# Altium PCB WIFI_HOME_SECURITY_SYS-V01.PcbDoc (part 3 of 3)
Units mil, origin at the board's own origin, x right, y up, seen from the top; angles counter-clockwise.
Board outline 3677.17 x 3783.46 mil, 4 copper layers (Top Layer, Int1 (GND), Int2 (PWR), Bottom Layer), stack 53.912 mil thick; 126 components, 88 nets, 455 pads, 131 vias.
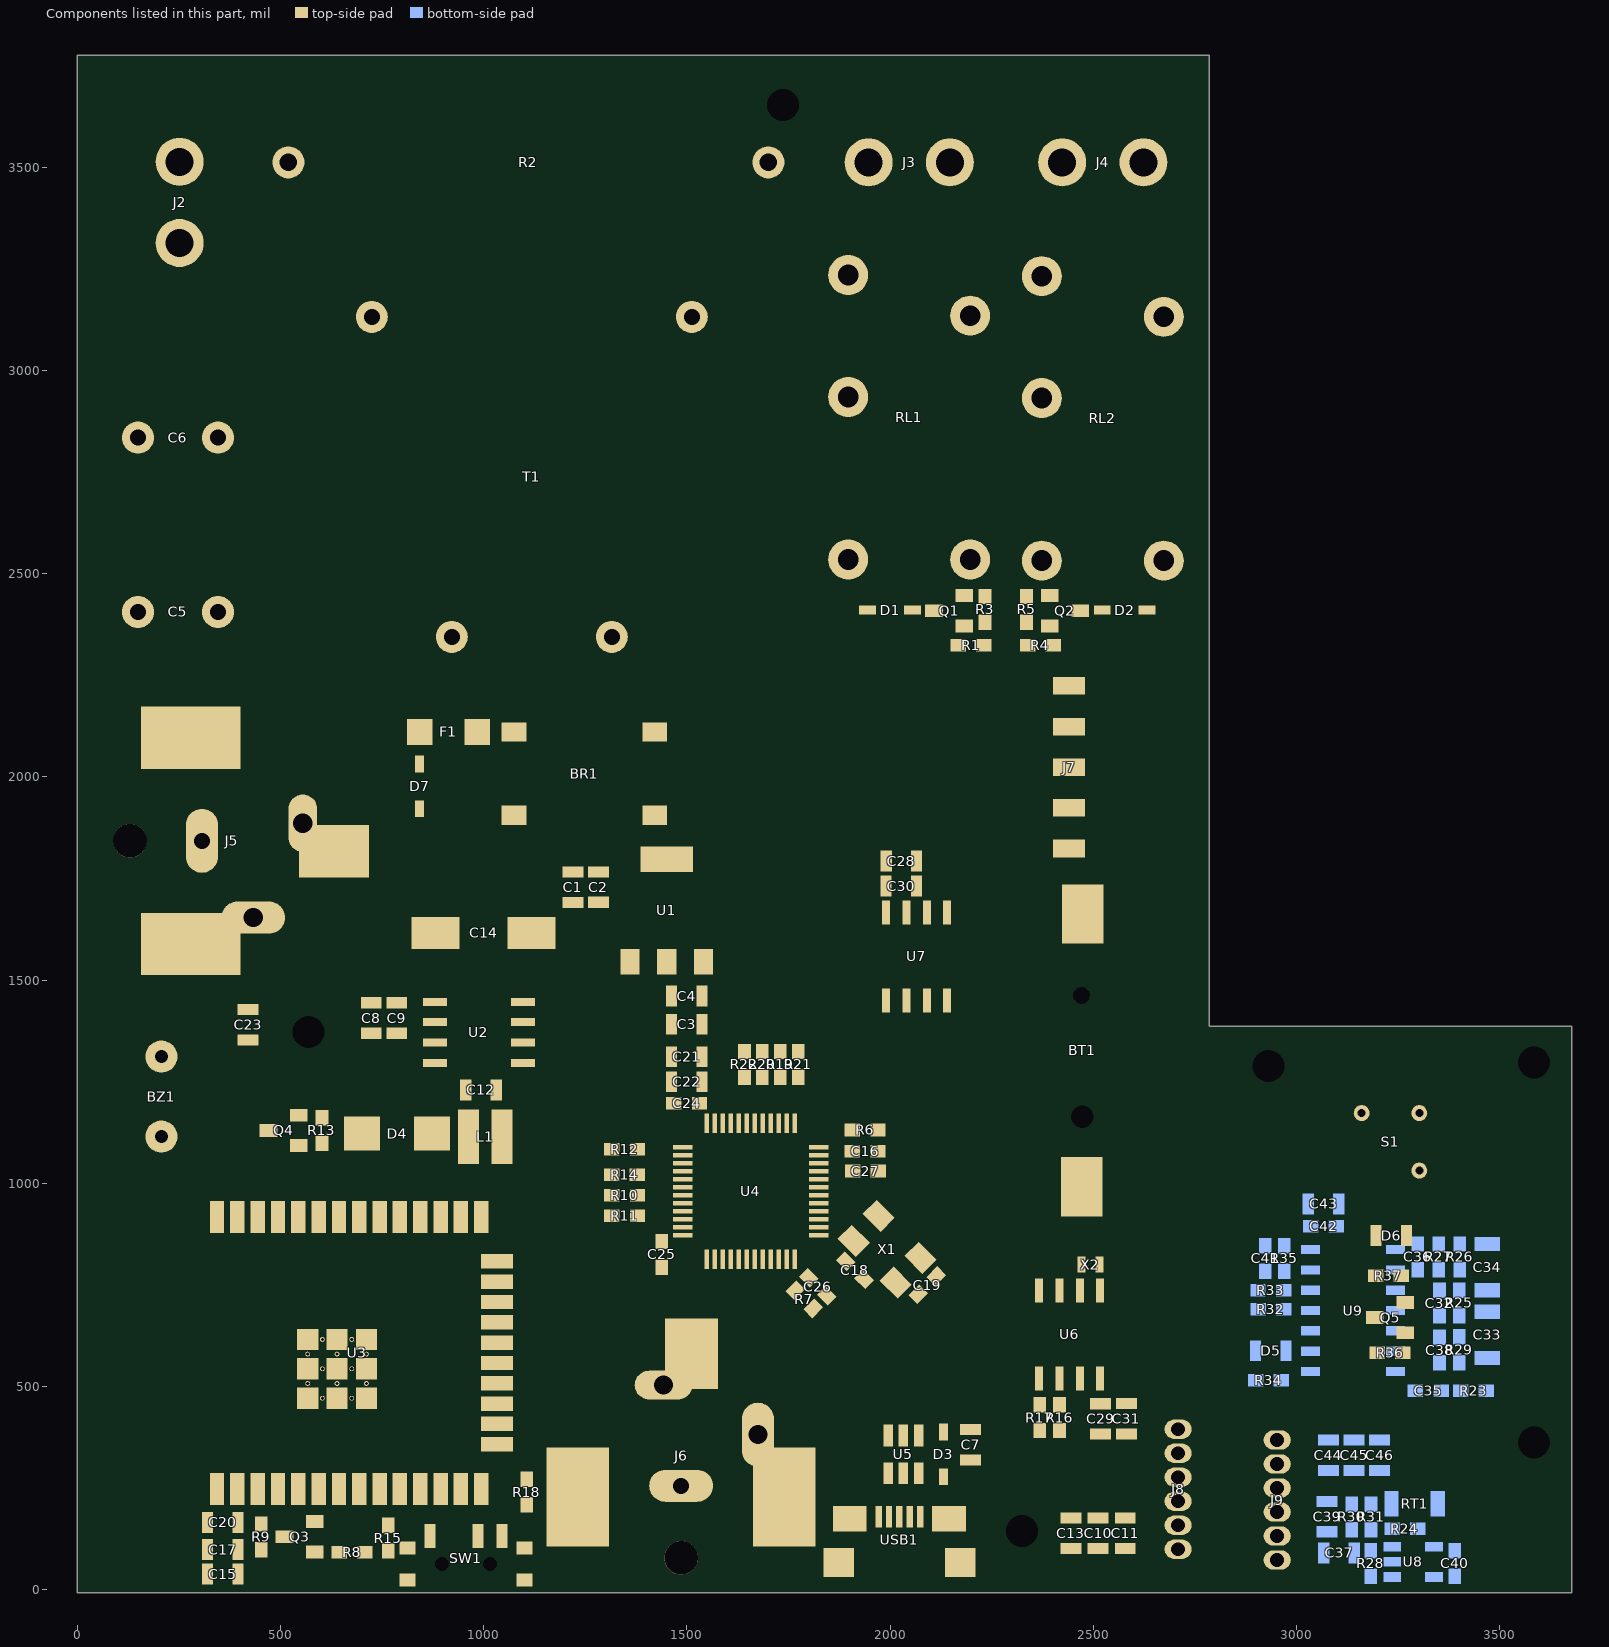
[diagram p5: the components of this part, seen from the top]

## Via types
v1: diameter 23.62, hole 13.78, Top Layer to Bottom Layer, tented both sides, 125 vias
v2: diameter 39.37, hole 19.68, Top Layer to Bottom Layer, tented both sides, 3 vias
v3: diameter 17.72, hole 11.81, Top Layer to Bottom Layer, tented both sides, 2 vias
v4: diameter 23.62, hole 13.78, Top Layer to Bottom Layer, tented top, 1 vias

## Nets (pads, with @x,y where several pads share a name; then routed paths per layer and width w, separated by ;. In a path a pad name is that pad's centre, name@x,y a point inside that pad or via, vN(x,y) a via of type N, cw(c..) or ccw(c..) an arc to the next point about the centre after c; other vN are vias at no path point) (continued)
copper on no net: | length 609122.8
  Top Layer w1: -1989.5,4122.74 1554.08,7666.33 ; -1989.5,4182.74 1554.08,7726.33 ; -1989.5,4242.74 1554.08,7786.33 ; -1989.5,4302.74 1554.08,7846.33 ; -1989.5,4362.74 1554.08,7906.33 ; -1989.5,4422.74 1554.08,7966.33 ; -1989.5,4482.74 1554.08,8026.33 ; -1989.5,4542.74 1554.08,8086.33 ; -1989.5,4602.74 1554.08,8146.33 ; -1989.5,4662.74 1554.08,8206.33 ; -1989.5,4722.74 1554.08,8266.33 ; -1989.5,4782.74 1554.08,8326.33 ; -1989.5,4842.74 1554.08,8386.33 ; -1989.5,4902.74 1554.08,8446.33 ; -1989.5,4962.74 1554.08,8506.33 ; -1989.5,5022.74 1554.08,8566.33 ; -1989.5,5082.74 1554.08,8626.33 ; -1989.5,5142.74 1554.08,8686.33 ; -1989.5,5202.74 1554.08,8746.33 ; -1989.5,5262.74 1554.08,8806.33 ; -1989.5,5322.74 1554.08,8866.33 ; -1989.5,5382.74 1554.08,8926.33 ; -1989.5,5442.74 1503.81,8936.05 ; -1989.5,5502.74 1443.81,8936.05 ; -1989.5,5562.74 1383.81,8936.05 ; -1989.5,5622.74 1323.81,8936.05 ; -1989.5,5682.74 1263.81,8936.05 ; -1989.5,5742.74 1203.81,8936.05 ; -1989.5,5802.74 1143.81,8936.05 ; -1989.5,5862.74 1083.81,8936.05 ; -1989.5,5922.74 1023.81,8936.05 ; -1989.5,5982.74 963.81,8936.05 ; -1989.5,6042.74 903.81,8936.05 ; -1989.5,6102.74 843.81,8936.05 ; -1989.5,6162.74 783.81,8936.05 ; -1989.5,6222.74 723.81,8936.05 ; -1989.5,6282.74 663.81,8936.05 ; -1989.5,6342.74 603.81,8936.05 ; -1989.5,6402.74 543.81,8936.05 ; -1989.5,6462.74 483.81,8936.05 ; -1989.5,6522.74 423.81,8936.05 ; -1989.5,6582.74 363.81,8936.05 ; -1989.5,6642.74 303.81,8936.05 ; -1989.5,6702.74 243.81,8936.05 ; -1989.5,6762.74 183.81,8936.05 ; -1989.5,6822.74 123.81,8936.05 ; -1989.5,6882.74 63.81,8936.05 ; -1989.5,6942.74 3.81,8936.05 ; -1989.5,7002.74 -56.19,8936.05 ; -1989.5,7062.74 -116.19,8936.05 ; -1989.5,7122.74 -176.19,8936.05 ; -1989.5,7182.74 -236.19,8936.05 ; -1989.5,7242.74 -296.19,8936.05 ; -1989.5,7302.74 -356.19,8936.05 ; -1989.5,7362.74 -416.19,8936.05 ; -1989.5,7422.74 -476.19,8936.05 ; -1989.5,7482.74 -536.19,8936.05 ; -1989.5,7542.74 -596.19,8936.05 ; -1989.5,7602.74 -656.19,8936.05 ; -1989.5,7662.74 -716.19,8936.05 ; -1989.5,7722.74 -776.19,8936.05 ; -1989.5,7782.74 -836.19,8936.05 ; -1989.5,7842.74 -896.19,8936.05 ; -1989.5,7902.74 -956.19,8936.05 ; -1989.5,7962.74 -1016.19,8936.05 ; -1989.5,8022.74 -1076.19,8936.05 ; -1989.5,8082.74 -1136.19,8936.05 ; -1989.5,8142.74 -1196.19,8936.05 ; -1989.5,8202.74 -1256.19,8936.05 ; -1989.5,8262.74 -1316.19,8936.05 ; -1989.5,8322.74 -1376.19,8936.05 ; -1989.5,8382.74 -1436.19,8936.05 ; -1989.5,8442.74 -1496.19,8936.05 ; -1989.5,8502.74 -1556.19,8936.05 ; -1989.5,8562.74 -1616.19,8936.05 ; -1989.5,8622.74 -1676.19,8936.05 ; -1989.5,8682.74 -1736.19,8936.05 ; -1989.5,8742.74 -1796.19,8936.05 ; -1989.5,8802.74 -1856.19,8936.05 ; -1989.5,8862.74 -1916.19,8936.05 ; -1989.5,8922.74 -1976.19,8936.05 ; -1931.28,4120.96 1554.08,7606.33 ; -1871.28,4120.96 1554.08,7546.33 ; -1811.28,4120.96 1554.08,7486.33 ; -1751.28,4120.96 1554.08,7426.33 ; -1691.28,4120.96 1554.08,7366.33 ; -1631.28,4120.96 1554.08,7306.33 ; -1571.28,4120.96 1554.08,7246.33 ; -1511.28,4120.96 1554.08,7186.33 ; -1451.28,4120.96 1554.08,7126.33 ; -1391.28,4120.96 1554.08,7066.33 ; -1331.28,4120.96 1554.08,7006.33 ; -1271.28,4120.96 1554.08,6946.33 ; -1211.28,4120.96 1554.08,6886.33 ; -1151.28,4120.96 1554.08,6826.33 ; -1091.28,4120.96 1554.08,6766.33 ; -1031.28,4120.96 1554.08,6706.33 ; -971.28,4120.96 1554.08,6646.33 ; -911.28,4120.96 1554.08,6586.33 ; -851.28,4120.96 1554.08,6526.33 ; -791.28,4120.96 1554.08,6466.33 ; -731.28,4120.96 1554.08,6406.33 ; -671.28,4120.96 1554.08,6346.33 ; -611.28,4120.96 1554.08,6286.33 ; -551.28,4120.96 1554.08,6226.33 ; -491.28,4120.96 1554.08,6166.33 ; -431.28,4120.96 1554.08,6106.33 ; -371.28,4120.96 1554.08,6046.33 ; -311.28,4120.96 1554.08,5986.33 ; -251.28,4120.96 1554.08,5926.33 ; -191.28,4120.96 1583.35,5895.59 ; -131.28,4120.96 1643.35,5895.59 ; -71.28,4120.96 1703.35,5895.59 ; -11.28,4120.96 1763.35,5895.59 ; 48.72,4120.96 1823.35,5895.59 ; 108.72,4120.96 1883.35,5895.59 ; 168.72,4120.96 1943.35,5895.59 ; 228.72,4120.96 2003.35,5895.59 ; 288.72,4120.96 2063.35,5895.59 ; 348.72,4120.96 2123.35,5895.59 ; 408.72,4120.96 2183.35,5895.59 ; 468.72,4120.96 2243.35,5895.59 ; 528.72,4120.96 2303.35,5895.59 ; 588.72,4120.96 2363.35,5895.59 ; 648.72,4120.96 2423.35,5895.59 ; 708.72,4120.96 2483.35,5895.59 ; 768.72,4120.96 2543.35,5895.59 ; 828.72,4120.96 2603.35,5895.59 ; 888.72,4120.96 2663.35,5895.59 ; 948.72,4120.96 2689.26,5861.5 ; 1008.72,4120.96 2689.26,5801.5 ; 1068.72,4120.96 2689.26,5741.5 ; 1128.72,4120.96 2689.26,5681.5 ; 1188.72,4120.96 2689.26,5621.5 ; 1248.72,4120.96 2689.26,5561.5 ; 1308.72,4120.96 2689.26,5501.5 ; 1368.72,4120.96 2689.26,5441.5 ; 1428.72,4120.96 2689.26,5381.5 ; 1488.72,4120.96 2689.26,5321.5 ; 1548.72,4120.96 2689.26,5261.5 ; 1569.58,8985.83 1669.26,9085.51 1789.26,9205.51 1909.26,9325.51 2029.26,9445.51 2149.26,9565.51 2269.26,9685.51 2389.26,9805.51 2509.26,9925.51 2629.26,10045.51 2689.26,10105.51 ; 1569.58,9045.83 1609.26,9085.51 1729.26,9205.51 1849.26,9325.51 1969.26,9445.51 2089.26,9565.51 2209.26,9685.51 2329.26,9805.51 2449.26,9925.51 2569.26,10045.51 2689.26,10165.51 ; 1569.58,9105.83 1669.26,9205.51 1789.26,9325.51 1909.26,9445.51 2029.26,9565.51 2149.26,9685.51 2269.26,9805.51 2389.26,9925.51 2509.26,10045.51 2629.26,10165.51 2689.26,10225.51 ; 1569.58,9165.83 1609.26,9205.51 1729.26,9325.51 1849.26,9445.51 1969.26,9565.51 2089.26,9685.51 2209.26,9805.51 2329.26,9925.51 2449.26,10045.51 2569.26,10165.51 2689.26,10285.51 ; 1569.58,9225.83 1669.26,9325.51 1789.26,9445.51 1909.26,9565.51 2029.26,9685.51 2149.26,9805.51 2269.26,9925.51 2389.26,10045.51 2509.26,10165.51 2629.26,10285.51 2689.26,10345.51 ; 1569.58,9285.83 1609.26,9325.51 1729.26,9445.51 1849.26,9565.51 1969.26,9685.51 2089.26,9805.51 2209.26,9925.51 2329.26,10045.51 2449.26,10165.51 2569.26,10285.51 2689.26,10405.51 ; 1569.58,9345.83 1669.26,9445.51 1789.26,9565.51 1909.26,9685.51 2029.26,9805.51 2149.26,9925.51 2269.26,10045.51 2389.26,10165.51 2509.26,10285.51 2629.26,10405.51 2689.26,10465.51 ; 1569.58,9405.83 1609.26,9445.51 1729.26,9565.51 1849.26,9685.51 1969.26,9805.51 2089.26,9925.51 2209.26,10045.51 2329.26,10165.51 2449.26,10285.51 2569.26,10405.51 2689.26,10525.51 ; 1569.58,9465.83 1669.26,9565.51 1789.26,9685.51 1909.26,9805.51 2029.26,9925.51 2149.26,10045.51 2269.26,10165.51 2389.26,10285.51 2509.26,10405.51 2629.26,10525.51 2689.26,10585.51 ; 1569.58,9525.83 1609.26,9565.51 1729.26,9685.51 1849.26,9805.51 1969.26,9925.51 2089.26,10045.51 2209.26,10165.51 2329.26,10285.51 2449.26,10405.51 2569.26,10525.51 2689.26,10645.51 ; 1569.58,9585.83 1669.26,9685.51 1789.26,9805.51 1909.26,9925.51 2029.26,10045.51 2149.26,10165.51 2269.26,10285.51 2389.26,10405.51 2509.26,10525.51 2629.26,10645.51 2689.26,10705.51 ; 1569.58,9645.83 1609.26,9685.51 1729.26,9805.51 1849.26,9925.51 1969.26,10045.51 2089.26,10165.51 2209.26,10285.51 2329.26,10405.51 2449.26,10525.51 2569.26,10645.51 2689.26,10765.51 ; 1569.58,9705.83 1669.26,9805.51 1789.26,9925.51 1909.26,10045.51 2029.26,10165.51 2149.26,10285.51 2269.26,10405.51 2389.26,10525.51 2509.26,10645.51 2629.26,10765.51 ; 1569.58,9765.83 1609.26,9805.51 1729.26,9925.51 1849.26,10045.51 1969.26,10165.51 2089.26,10285.51 2209.26,10405.51 2329.26,10525.51 2449.26,10645.51 2569.26,10765.51 ; 1569.58,9825.83 1669.26,9925.51 1789.26,10045.51 1909.26,10165.51 2029.26,10285.51 2149.26,10405.51 2269.26,10525.51 2389.26,10645.51 2509.26,10765.51 ; 1569.58,9885.83 1609.26,9925.51 1729.26,10045.51 1849.26,10165.51 1969.26,10285.51 2089.26,10405.51 2209.26,10525.51 2329.26,10645.51 2449.26,10765.51 ; 1569.58,9945.83 1669.26,10045.51 1789.26,10165.51 1909.26,10285.51 2029.26,10405.51 2149.26,10525.51 2269.26,10645.51 2389.26,10765.51 ; 1569.58,10005.83 1609.26,10045.51 1729.26,10165.51 1849.26,10285.51 1969.26,10405.51 2089.26,10525.51 2209.26,10645.51 2329.26,10765.51 ; 1569.58,10065.83 1669.26,10165.51 1789.26,10285.51 1909.26,10405.51 2029.26,10525.51 2149.26,10645.51 2269.26,10765.51 ; 1569.58,10125.83 1609.26,10165.51 1729.26,10285.51 1849.26,10405.51 1969.26,10525.51 2089.26,10645.51 2209.26,10765.51 ; 1569.58,10185.83 1669.26,10285.51 1789.26,10405.51 1909.26,10525.51 2029.26,10645.51 2149.26,10765.51 ; 1569.58,10245.83 1609.26,10285.51 1729.26,10405.51 1849.26,10525.51 1969.26,10645.51 2089.26,10765.51 ; 1569.58,10305.83 1669.26,10405.51 1789.26,10525.51 1909.26,10645.51 2029.26,10765.51 ; 1569.58,10365.83 1609.26,10405.51 1729.26,10525.51 1849.26,10645.51 1969.26,10765.51 ; 1569.58,10425.83 1669.26,10525.51 1789.26,10645.51 1909.26,10765.51 ; 1569.58,10485.83 1609.26,10525.51 1729.26,10645.51 1849.26,10765.51 ; 1569.58,10545.83 1669.26,10645.51 1789.26,10765.51 ; 1569.58,10605.83 1609.26,10645.51 1729.26,10765.51 ; 1569.58,10665.83 1669.26,10765.51 ; 1569.58,10725.83 1609.26,10765.51 ; 1608.72,4120.96 2689.26,5201.5 ; 1609.26,8965.51 1729.26,9085.51 1849.26,9205.51 1969.26,9325.51 2089.26,9445.51 2209.26,9565.51 2329.26,9685.51 2449.26,9805.51 2569.26,9925.51 2689.26,10045.51 ; 1668.72,4120.96 2689.26,5141.5 ; 1669.26,8965.51 1789.26,9085.51 1909.26,9205.51 2029.26,9325.51 2149.26,9445.51 2269.26,9565.51 2389.26,9685.51 2509.26,9805.51 2629.26,9925.51 2689.26,9985.51 ; 1728.72,4120.96 2689.26,5081.5 ; 1729.26,8965.51 1849.26,9085.51 1969.26,9205.51 2089.26,9325.51 2209.26,9445.51 2329.26,9565.51 2449.26,9685.51 2569.26,9805.51 2689.26,9925.51 ; 1788.72,4120.96 2689.26,5021.5 ; 1789.26,8965.51 1909.26,9085.51 2029.26,9205.51 2149.26,9325.51 2269.26,9445.51 2389.26,9565.51 2509.26,9685.51 2629.26,9805.51 2689.26,9865.51 ; 1848.72,4120.96 2689.26,4961.5 ; 1849.26,8965.51 1969.26,9085.51 2089.26,9205.51 2209.26,9325.51 2329.26,9445.51 2449.26,9565.51 2569.26,9685.51 2689.26,9805.51 ; 1908.72,4120.96 2689.26,4901.5 ; 1909.26,8965.51 2029.26,9085.51 2149.26,9205.51 2269.26,9325.51 2389.26,9445.51 2509.26,9565.51 2629.26,9685.51 2689.26,9745.51 ; 1968.72,4120.96 2689.26,4841.5 ; 1969.26,8965.51 2089.26,9085.51 2209.26,9205.51 2329.26,9325.51 2449.26,9445.51 2569.26,9565.51 2689.26,9685.51 ; 2028.72,4120.96 2689.26,4781.5 ; 2029.26,8965.51 2149.26,9085.51 2269.26,9205.51 2389.26,9325.51 2509.26,9445.51 2629.26,9565.51 2689.26,9625.51 ; 2088.72,4120.96 2689.26,4721.5 ; 2089.26,8965.51 2209.26,9085.51 2329.26,9205.51 2449.26,9325.51 2569.26,9445.51 2689.26,9565.51 ; 2148.72,4120.96 2689.26,4661.5 ; 2149.26,8965.51 2269.26,9085.51 2389.26,9205.51 2509.26,9325.51 2629.26,9445.51 2689.26,9505.51 ; 2208.72,4120.96 2689.26,4601.5 ; 2209.26,8965.51 2329.26,9085.51 2449.26,9205.51 2569.26,9325.51 2689.26,9445.51 ; 2268.72,4120.96 2689.26,4541.5 ; 2269.26,8965.51 2389.26,9085.51 2509.26,9205.51 2629.26,9325.51 2689.26,9385.51 ; 2328.72,4120.96 2689.26,4481.5 ; 2329.26,8965.51 2449.26,9085.51 2569.26,9205.51 2689.26,9325.51 ; 2388.72,4120.96 2689.26,4421.5 ; 2389.26,8965.51 2509.26,9085.51 2629.26,9205.51 2689.26,9265.51 ; 2448.72,4120.96 2689.26,4361.5 ; 2449.26,8965.51 2569.26,9085.51 2689.26,9205.51 ; 2508.72,4120.96 2689.26,4301.5 ; 2509.26,8965.51 2629.26,9085.51 2689.26,9145.51 ; 2568.72,4120.96 2689.26,4241.5 ; 2569.26,8965.51 2689.26,9085.51 ; 2628.72,4120.96 2689.26,4181.5 ; 2629.26,8965.51 2689.26,9025.51
  Top Layer w15: -1989.5,9085.51 -1579.59,9085.51 -249.97,9085.51 349.88,9085.51 999.71,9085.51 1569.58,9085.51 2689.26,9085.51 ; -1989.5,9205.51 -1579.59,9205.51 -249.97,9205.51 349.88,9205.51 999.71,9205.51 1569.58,9205.51 2689.26,9205.51 ; -1989.5,9325.51 -1579.59,9325.51 -249.97,9325.51 349.88,9325.51 999.71,9325.51 1569.58,9325.51 2689.26,9325.51 ; -1989.5,9445.51 -1579.59,9445.51 -249.97,9445.51 349.88,9445.51 999.71,9445.51 1569.58,9445.51 2689.26,9445.51 ; -1989.5,9565.51 -1579.59,9565.51 -249.97,9565.51 349.88,9565.51 999.71,9565.51 1569.58,9565.51 2689.26,9565.51 ; -1989.5,9685.51 -1579.59,9685.51 -249.97,9685.51 349.88,9685.51 999.71,9685.51 1569.58,9685.51 2689.26,9685.51 ; -1989.5,9805.51 -1579.59,9805.51 -249.97,9805.51 349.88,9805.51 999.71,9805.51 1569.58,9805.51 2689.26,9805.51 ; -1989.5,9925.51 -1579.59,9925.51 -249.97,9925.51 349.88,9925.51 999.71,9925.51 1569.58,9925.51 2689.26,9925.51 ; -1989.5,10045.51 -1579.59,10045.51 -249.97,10045.51 349.88,10045.51 999.71,10045.51 1569.58,10045.51 2689.26,10045.51 ; -1989.5,10165.51 -1579.59,10165.51 -249.97,10165.51 349.88,10165.51 999.71,10165.51 1569.58,10165.51 2689.26,10165.51 ; -1989.5,10285.51 -1579.59,10285.51 -249.97,10285.51 349.88,10285.51 999.71,10285.51 1569.58,10285.51 2689.26,10285.51 ; -1989.5,10405.51 -1579.59,10405.51 -249.97,10405.51 349.88,10405.51 999.71,10405.51 1569.58,10405.51 2689.26,10405.51 ; -1989.5,10525.51 -1579.59,10525.51 -249.97,10525.51 349.88,10525.51 999.71,10525.51 1569.58,10525.51 2689.26,10525.51 ; -1989.5,10645.51 -1579.59,10645.51 -249.97,10645.51 349.88,10645.51 999.71,10645.51 1569.58,10645.51 2689.26,10645.51 ; -1989.5,10765.51 2689.26,10765.51 ; -1579.59,10885.51 -1579.59,8965.51 ; -249.97,10885.51 -249.97,8965.51 ; 349.88,10885.51 349.88,8965.51 ; 999.71,10885.51 999.71,8965.51 ; 1569.58,10885.51 1569.58,8965.51 ; -1579.59,8965.51 -1989.5,8965.51 -1989.5,10885.51 2689.26,10885.51 2689.26,8965.51 1569.58,8965.51 ; -1579.59,8965.51 -249.97,8965.51 ; -249.97,8965.51 349.88,8965.51 ; 349.88,8965.51 999.71,8965.51 ; 999.71,8965.51 1569.58,8965.51 ; -1989.5,4121.5 2689.26,4121.5 2689.26,5894.82 1554.08,5894.82 1554.08,8935.51 -1989.5,8935.51 -1989.5,4121.5

## Polygon pours and split planes (outlines as drawn)
GND on Top Layer "GND_L01_P142" (solid, remove dead copper, pour order 142): 222.44,2872.64 190.94,2904.13 64.37,2904.13 32.87,2872.64 32.87,1086.61 154.92,964.57 1046.46,964.57 1082.68,928.35 1082.68,122.44 1205.12,0 2733.18,0 2782.09,48.91 2782.09,2121.26 2601.77,2301.57 1715.16,2301.57 1715.16,1918.9 1648.23,1851.97 1623.43,1851.97 1243.7,1851.97 1105.51,1990.16 732.87,1990.16 688.58,2028.94 574.21,2028.94 405.71,2197.44 275.39,2197.44 232.48,2240.35 232.48,2863.19 191.54,2904.13
GND_S on Top Layer "GND_S_L01_P148" (solid, remove dead copper, pour order 148): 2871.07,1366.34 3647.44,1366.34 3656.49,1357.28 3656.5,22.24 3643.31,9.06 2846.46,9.06 2835,20.51 2835,1329.96
no net on Top Layer "NONET_L01_P006" (solid, remove dead copper, pour order 6): 921.26,2425.2 850.39,2354.33
NetBR1_2 on Top Layer "NETBR1_2_L01_P013" (solid, remove dead copper, pour order 13): 905.51,2440.94 826.77,2381.89 826.77,2263.78 905.51,2216.54 1086.85,2216.54 1268.71,2059.05 1468.5,2059.06 1476.38,2066.93 1476.38,2153.54 1468.54,2161.38 1318.86,2161.45 1039.37,2440.94
NetBR1_1 on Top Layer "NETBR1_1_L01_P017" (solid, remove dead copper, pour order 17): 1299.21,2440.95 1248.03,2389.76 1248.03,2291.34 1299.21,2240.16 1480.32,2240.16 1539.37,2200.79 1539.37,1968.5 1374.02,1968.5 1354.33,1944.88 1354.33,1881.89 1649.89,1881.89 1692.91,1928.22 1692.91,2440.94
NetC5_1 on Top Layer "NETC5_1_L01_P049" (solid, remove dead copper, pour order 49): 322.83,2901.57 419.43,2901.57 448.82,2872.18 448.82,2350.39 622.05,2177.17 885.83,2177.16 885.83,1996.06 798.75,1996.06 688.51,2062.99 570.87,2062.99 275.59,2358.27 275.59,2872.59 304.58,2901.57
5VDC on Top Layer "Top Layer-5VDC" (solid, remove dead copper, pour order 56): 1181.51,1039.37 1185.04,1039.37 1185.04,1042.91 1307.09,1164.96 1307.09,1385.83 1181.51,1492.12 1181.51,1650.01 1198.42,1666.93 1264.54,1666.93 1314.97,1610.24 1314.97,1492.13 1377.95,1492.13 1389.76,1503.94 1389.76,1633.85 1311.03,1712.6 1183.73,1712.6 1173.23,1720.47 1069.29,1720.47 1032.68,1683.86 1032.68,1417.32 1135.43,1417.32 1153.55,1402.23 1153.55,1232.28 1116.14,1185.04 1011.81,1185.04 1011.81,1051.18 1023.62,1039.37
no net on Top Layer "NONET_L01_P069" (solid, remove dead copper, pour order 69): 1553.99,1180.26 1553.99,1164.23 1553.99,1180.26
3V3DC on Top Layer "Top Layer-3V3DC" (solid, remove dead copper, pour order 112): 2478.15,441.51 2602.51,441.51 2608,447 2608,538 2588,558 2505,558 2497,550 2497,499 2505,491 2505,473.62 2487.62,473.62 2478.15,464.14
12VDC on Top Layer "Top Layer-12VDC" (solid, remove dead copper, pour order 118): 656.3,1321.06 676.15,1301.21 818.32,1301.58 833.27,1316.54 904.33,1316.54 925.2,1337.4 925.2,1363.19 909.65,1378.74 833.47,1378.74 815.25,1396.95 747.64,1396.95 690.61,1396.95 680.42,1396.95 656.3,1372.84 656.3,1359.47
GND on Top Layer "GND_L01_P124" (solid, remove dead copper, pour order 124): 534.65,707.28 475,649.61 475,436.42 534.65,376.77 787.01,376.77 810.63,392.91 810.63,657.48 739.57,707.28
GND on Top Layer "GND_L01_P127" (solid, remove dead copper, pour order 127): 550.78,376.77 445.87,376.77 366.34,297.24 366.34,185.04 358.27,176.97 358.27,19.68 346.65,8.07 234.45,8.07 226.38,16.14 226.38,293.9 281.1,293.9 281.1,351.38 374.21,436.42 475,436.42
3V3DC on Top Layer "3V3DC_L01_P140" (solid, remove dead copper, pour order 140): 1567.32,1585.43 1569.96,1582.8 1644.03,1582.93 1668.31,1558.67 1668.31,1507.48 1573.03,1507.48 1567.13,1501.57 1512.6,1501.57 1504.72,1509.45 1504.72,1584.84 1518.5,1598.62 1553.47,1598.62
3V3DC on Top Layer "3V3DC_L01_P141" (solid, remove dead copper, pour order 141): 1512.6,1501.57 1522.83,1491.34 1522.84,1225.98 1508.26,1211.42 1508.27,1184.45 1541.73,1159.06 1541.73,1125 1545.08,1121.65 1554.92,1121.65 1554.92,1489.37 1567.13,1501.57
GND on Bottom Layer "Bottom Layer-GND" (solid, remove dead copper, pour order 146): 50.98,1614.37 632.48,1032.87 853.74,1032.87 934.26,952.36 934.25,314.17 828.35,208.27 229.53,208.27 194.29,173.03 194.29,48.23 243.5,-0.98 2732.19,-0.98 2784.84,51.66 2784.84,2577.95 2716.81,2645.99 1850.39,2646.85 1419.09,2215.55 310.24,2215.55 259.45,2266.34 259.45,2892.52 205.51,2946.46 102.36,2946.46 50.98,2895.08
GND_S on Bottom Layer "GND_S_L04_P147" (solid, remove dead copper, pour order 147): 2871.31,1366.54 3647.24,1366.54 3656.3,1357.48 3656.3,22.44 3643.11,9.25 2846.26,9.25 2835,20.51 2835,1329.91
GND on Bottom Layer "GND_L04_P149" (solid, remove dead copper, pour order 149): 530.13,704.16 470.48,646.48 470.48,433.29 530.13,373.64 782.49,373.64 806.11,389.79 806.11,654.35 735.05,704.16
GND on Bottom Layer "GND_L04_P150" (solid, remove dead copper, pour order 150): 546.26,373.64 479.16,373.64 300.75,195.25 194.29,164.1 194.29,290.77 276.58,290.77 276.58,348.25 369.69,433.29 470.48,433.29
3V3DC on Int2 (PWR) (split plane): 2764.9,1385.83 2765.29,1381.91 2766.43,1378.14 2768.29,1374.66 2770.79,1371.62 2773.83,1369.12 2777.31,1367.26 2781.08,1366.12 2785,1365.73 2787.13,1365.73 2787.13,12.22 20.1,12.22 20.1,203.35 320.47,203.35 320.47,940.75 20.1,940.75 20.1,2639.96 493.9,2639.96 493.9,2258.07 1516.54,2258.07 1516.54,2639.96 2764.9,2639.96
5VDC on Int2 (PWR) (split plane): 430.48,1277.92 432.77,1276.05 435.37,1274.66 438.2,1273.8 441.14,1273.51 553.4,1273.51 678.91,1148 681.19,1146.13 683.8,1144.74 686.63,1143.88 689.57,1143.59 887.2,1143.59 890.15,1143.88 892.97,1144.74 895.58,1146.13 897.86,1148 952.31,1202.45 1203.8,1202.45 1258.35,1147.89 1258.35,1088.72 1213.44,1043.81 1048.23,1043.81 1045.29,1043.52 1042.46,1042.67 1039.85,1041.27 1037.57,1039.4 970.05,971.88 968.18,969.59 966.78,966.99 965.93,964.16 965.64,961.22 965.64,676.57 965.93,673.63 966.78,670.81 968.18,668.2 970.05,665.92 1076.74,559.22 1079.03,557.35 1081.63,555.96 1084.46,555.1 1087.4,554.81 1993.56,554.81 2040.33,508.04 2042.61,506.17 2045.22,504.78 2048.04,503.92 2050.98,503.63 2223.48,503.63 2238.67,488.44 2238.67,322.36 2226.13,322.36 2059.28,489.2 2057,491.08 2054.39,492.47 2051.56,493.33 2048.62,493.62 1796.79,493.62 1778.37,512.04 1776.09,513.91 1773.48,515.3 1770.66,516.16 1767.72,516.45 1623.62,516.45 1620.68,516.16 1617.85,515.3 1615.25,513.91 1612.96,512.04 1552.53,451.6 1532.54,431.61 1202.11,431.61 1163.41,470.3 1161.13,472.18 1158.52,473.57 1155.7,474.43 1152.76,474.72 982.62,474.72 813.89,643.45 813.89,969.09 813.6,972.03 812.74,974.86 811.35,977.47 809.48,979.75 647.08,1142.15 644.79,1144.03 642.19,1145.42 639.36,1146.28 636.42,1146.57 484.98,1146.57 407.71,1223.85 405.42,1225.72 402.82,1227.11 399.99,1227.97 397.05,1228.26 190.1,1228.26 115.27,1303.09 115.27,1365.21 163.72,1413.67 294.74,1413.67
3V3DC_S on Int2 (PWR) (split plane): 3657.07,12.22 2837.28,12.22 2837.28,1365.73 3657.07,1365.73
12VDC on Int2 (PWR) (split plane): 2071.47,2499.45 2071.47,2385.94 2071.85,2383.06 2072.63,2381.17 2072.96,2380.39 2074.72,2378.09 2129.95,2322.86 2132.25,2321.1 2133.03,2320.78 2134.92,2319.99 2137.8,2319.61 2452.76,2319.61 2455.63,2319.99 2457.52,2320.78 2458.3,2321.1 2460.6,2322.86 2582.65,2444.91 2584.41,2447.21 2584.74,2447.99 2585.52,2449.88 2585.9,2452.76 2585.9,2542.65 2638.45,2595.2 2696.19,2595.2 2725.13,2566.27 2725.13,2437.67 2542.65,2255.19 1751.97,2255.19 1749.1,2254.81 1746.42,2253.7 1745.89,2253.29 1744.12,2251.94 1461.35,1969.17 858.59,1969.17 855.72,1968.79 853.05,1967.68 850.75,1965.92 700.82,1815.98 699.05,1813.69 697.94,1811.01 697.57,1808.14 697.57,1700.79 697.57,1428.35 697.94,1425.47 699.05,1422.8 700.82,1420.5 745.89,1375.42 747.66,1374.07 748.19,1373.66 750.87,1372.55 753.74,1372.17 853.28,1372.17 887.92,1337.53 887.92,1304.79 874.74,1291.61 637.86,1291.61 569.65,1359.82 569.77,1360.12 570.15,1362.99 570.15,1484.25 570.15,1673.23 569.77,1676.1 568.66,1678.78 566.9,1681.07 475.66,1772.31 475.66,1963.91 579.4,2067.65 1425.59,2067.65 1428.46,2068.02 1431.14,2069.13 1433.44,2070.89 1711.98,2349.44 1713.74,2351.74 1714.85,2354.41 1714.89,2354.75 1715.23,2357.28 1715.23,2440.48 1881.96,2607.21 1963.71,2607.21
GND on Int1 (GND) (split plane): 2764.9,1385.83 2765.29,1381.91 2766.43,1378.14 2768.29,1374.66 2770.79,1371.62 2773.83,1369.12 2777.31,1367.26 2781.08,1366.12 2785,1365.73 2787.52,1365.73 2787.52,12.22 20.1,12.22 20.1,201.77 325.79,201.77 325.79,940.16 20.1,940.16 20.1,2644.88 495.47,2644.88 495.47,2249.61 1549.02,2249.61 1549.02,2644.88 2764.9,2644.88
GND_S on Int1 (GND) (split plane): 3657.07,12.22 2837.68,12.22 2837.68,1365.73 3657.07,1365.73

## Keep-outs
Keep-Out Layer:
  lines w10: 0,-7.87 3677.17,-7.87 3677.17,1385.83 2795,1385.83 2795,3775.59 0,3775.59 0,-7.87

## Other copper
Top Layer:
  rectangle net GND: 226.38,274.21 290.75,323.62
  region net PIR_DETECT: 2994.29,139.27 2976.48,157.09 2918.5,157.09 2897.93,136.52 2897.93,128.84 2921.26,105.51 2975.3,105.51 2994.29,124.51
  region net GND_S: 2994.29,316.44 2976.08,334.65 2918.9,334.65 2904.53,320.28 2904.53,299.41 2920.67,283.27 2975.89,283.27 2994.29,301.67
  region net LED_S: 2994.29,257.38 2976.48,275.2 2918.5,275.2 2903.94,260.63 2903.94,240.94 2921.26,223.62 2975.3,223.62 2994.29,242.62
  region net 3V3DC_S: 2994.29,375.49 2972.54,397.24 2922.44,397.24 2904.53,379.33 2904.53,358.46 2920.67,342.32 2975.89,342.32 2994.29,360.73
  pour cut-out: 1226.49,974.41 1152.8,900.72 1156.01,897.5 1289.74,897.5 1289.74,915.98 1231.32,974.41
  pour cut-out: 1289.74,974.02 1289.35,974.41 1289.35,1007.77 1259.85,1007.77 1226.49,974.41 1224.61,974.41
  pour cut-out: 1341.74,942.5 1352.74,942.5 1352.74,897.5 1341.74,897.5
  pour cut-out: 1319.8,945 1319.8,946.08 1321.22,947.5 1375.21,947.5 1375.21,942.5 1321.22,942.5 1321.22,943.58
  pour cut-out: 1289.35,998.37 1402.36,998.37 1402.36,992.5 1289.74,992.5
  pour cut-out: 1406.45,1008.69 1459.54,1008.69 1459.54,972.5 1454.54,967.5 1452.04,970 1402.36,970 1402.36,1004.6
  region net WIFI_OUT: 465.94,290.55 422.44,290.55 420.11,288.22 420.11,197.41 433.66,183.86 433.66,139.37 443.11,129.92 472.44,129.92 484.93,117.43 484.93,106.31 490.65,100.59 528.94,100.59 547.24,118.9 547.24,153.38 534.25,162.4 485.43,162.4 468.7,179.14 468.7,287.8
  region net 3V3DC: 369.49,284.84 374.81,290.55 412.6,290.55 412.6,189.76 419.69,182.68 419.69,126.97 427.95,118.7 469.49,118.7 474.61,113.58 474.61,72.05 454.53,72.05 454.53,12.6 378.74,12.6 369.49,21.85
  region net 3V3DC: 1504.72,1509.45 1522.83,1491.34 1533.86,1502.36 1533.86,1509.45 1575,1509.45 1557.68,1492.13
  region net GND: 226.18,291.01 226.18,449.8 425.98,649.61 475,649.61 475,436.42
  region net NetC12_2: 843.47,1307.09 822.83,1282.16 822.83,1039.37 988.19,1039.37 1000,1051.18 1000,1284.78 977.69,1307.09
  region net 3V3DC: 474.61,72.05 485.24,61.42 511.02,61.42 526.38,48.82 526.38,29.13 511.02,12.6 454.53,12.6
  region net 3V3DC: 454.53,12.6 454.53,72.05 474.61,72.05
  region net 3V3DC: 474.61,72.05 474.61,32.68 454.53,12.6
  region net 12VDC: 555.12,2000 507.87,1952.76 507.87,1775.59 566.93,1716.54 712.6,1716.54 732.28,1736.22 807.09,1811.02 807.09,1866.14 834.65,1893.7 866.14,1893.7 885.83,1913.39 885.83,1952.76 771.65,1952.76
  region net 12VDC: 555.12,2000 692.91,2000 771.65,1952.76 724.41,1952.76
  region net 3V3DC: 2505,482.31 2496.32,482.31 2478.15,464.13 2478.15,441.51 2520.91,441.51 2537.2,457.8 2537.2,481.89
  region net 3V3DC: 2421.9,125 2415,118.09 2415,63 2438,40 2771,40 2782,51 2782,117 2774,125
  pour cut-out: 2522,480 2529,473 2522,480
  region net NetC12_1: 1129.92,1311.02 1039.37,1311.02 1011.81,1283.46 1011.81,1200.79 1102.36,1200.79 1129.92,1232.28
  region net NetBR1_3: 960.63,2165.35 940.94,2145.67 940.94,2070.87 960.63,2051.18 1102.36,2051.18 1122.05,2070.87 1122.05,2153.54 1110.24,2165.35
  text "Layer" at -1919.5,10795.51 h60
  text "Name" at -1509.59,10795.51 h60
  text "Material" at -179.97,10795.51 h60
  text "Thickness" at 419.88,10795.51 h60
  text "Constant" at 1069.71,10795.51 h60
  text "Board Layer Stack" at 1639.58,10795.51 h60
  text "Top Overlay" at -1509.59,10675.51 h60
  text "Top Solder" at -1509.59,10555.51 h60
  text "SM-001" at -179.97,10555.51 h60
  text "1.00mil" at 419.88,10555.51 h60
  text "4" at 1069.71,10555.51 h60
  text "Top Surface Finish" at -1509.59,10435.51 h60
  text "PbSn" at -179.97,10435.51 h60
  text "0.79mil" at 419.88,10435.51 h60
  text "1" at -1919.5,10315.51 h60
  text "Top Layer" at -1509.59,10315.51 h60
  text "CF-004" at -179.97,10315.51 h60
  text "1.38mil" at 419.88,10315.51 h60
  text "Dielectric 1" at -1509.59,10195.51 h60
  text "PP-017" at -179.97,10195.51 h60
  text "5.10mil" at 419.88,10195.51 h60
  text "4.3" at 1069.71,10195.51 h60
  text "Dielectric 2" at -1509.59,10075.51 h60
  text "PP-017" at -179.97,10075.51 h60
  text "5.10mil" at 419.88,10075.51 h60
  text "4.3" at 1069.71,10075.51 h60
  text "2" at -1919.5,9955.51 h60
  text "Int1 (GND)" at -1509.59,9955.51 h60
  text "CF-004" at -179.97,9955.51 h60
  text "1.38mil" at 419.88,9955.51 h60
  text "Dielectric 3" at -1509.59,9835.51 h60
  text "Core-039" at -179.97,9835.51 h60
  text "28.00mil" at 419.88,9835.51 h60
  text "4.8" at 1069.71,9835.51 h60
  text "3" at -1919.5,9715.51 h60
  text "Int2 (PWR)" at -1509.59,9715.51 h60
  text "CF-004" at -179.97,9715.51 h60
  text "1.38mil" at 419.88,9715.51 h60
  text "Dielectric 4" at -1509.59,9595.51 h60
  text "PP-017" at -179.97,9595.51 h60
  text "5.10mil" at 419.88,9595.51 h60
  text "4.3" at 1069.71,9595.51 h60
  text "Dielectric 5" at -1509.59,9475.51 h60
  text "PP-017" at -179.97,9475.51 h60
  text "5.10mil" at 419.88,9475.51 h60
  text "4.3" at 1069.71,9475.51 h60
  text "4" at -1919.5,9355.51 h60
  text "Bottom Layer" at -1509.59,9355.51 h60
  text "CF-004" at -179.97,9355.51 h60
  text "1.38mil" at 419.88,9355.51 h60
  text "Bottom Surface Finish" at -1509.59,9235.51 h60
  text "PbSn" at -179.97,9235.51 h60
  text "0.79mil" at 419.88,9235.51 h60
  text "Bottom Solder" at -1509.59,9115.51 h60
  text "SM-001" at -179.97,9115.51 h60
  text "1.00mil" at 419.88,9115.51 h60
  text "4" at 1069.71,9115.51 h60
  text "Bottom Overlay" at -1509.59,8995.51 h60
Bottom Layer:
  rectangle net GND: 229.92,271.09 286.23,320.49
  region net GND: 194.09,271.77 194.09,419.11 421.46,646.48 470.48,646.48 470.48,433.29
  region net 3V3DC_S: 3146.18,394.11 3157,404.94 3171.77,404.94 3182.6,394.11
  region net 3V3DC_S: 2934.25,397.24 2945.08,408.07 2959.84,408.07 2970.67,397.24
  region net 3V3DC_S: 3041.34,1024.02 3066.93,998.43 3066.92,819.68 2963.98,819.68 2954.33,829.33 2954.33,994.49 2983.07,1023.23
  region net GND_S: 2922.24,334.25 2906.89,318.9 2906.89,301.77 2925.59,283.07 3025.99,283.07 3066.92,242.13 3203.94,242.13 3262.4,300.59 3232.28,330.71 3057.87,330.71 3040.75,313.58 3010.24,313.58 2989.57,334.25
  region net 3V3DC_S: 2906.89,381.3 2923.43,397.83 3226.77,397.83 3272.73,351.87 3262.99,342.13 2922.24,342.13 2906.89,357.48
  region net TEMP_ADC: 2994.29,198.33 2976.48,216.14 2918.5,216.14 2906.3,203.94 2906.3,179.53 2920.67,165.16 2975.89,165.16 2994.29,183.56
  region net 5VDC: 1085.88,1039.37 1196.85,1039.37 1212.6,1055.12 1212.6,1165.35 1196.85,1185.04 1023.62,1185.04 1009.84,1171.26 1009.84,1130.71 980.91,1116.73 1009.84,1096.46 1009.84,1053.15 1045.21,998.71
  region net 5VDC: 1335.49,512.74 1438.19,388.39 1571.26,501.18 1449.61,574.41
  region net 5VDC: 1011.81,1051.18 1011.81,1173.23
Int1 (GND) (plane layer: these items are gaps in the copper):
  rectangle: 2080.91,1730.71 2133.07,1771.65
  rectangle: 1732.28,921.65 1784.45,962.6
  rectangle: 1631.89,701.38 1684.06,755.91
  rectangle: 1543.5,695.08 1595.67,736.02
  rectangle: 2915.75,250 2991.93,345.28
  rectangle: 2691.34,102.36 2767.52,197.64
  rectangle: 629.92,534.65 648.23,552.95
  rectangle: 666.14,498.23 684.45,516.54
  rectangle: 593.7,498.03 612.01,516.34
  rectangle: 667.13,570.08 685.43,588.39
  rectangle: 594.49,569.49 612.8,587.8
  rectangle: 10.63,201.77 325.79,940.16
  rectangle: 495.47,2249.61 1549.02,2706.3
  rectangle: -5.31,2644.88 2791.14,3770.47
  lines w50: 2812.6,0 2812.6,1380.32
Int2 (PWR) (plane layer: these items are gaps in the copper):
  rectangle: -2.95,2639.96 2795.96,3773.43
  rectangle: 0.98,203.35 320.47,940.75
  rectangle: 493.9,2258.07 1516.54,2923.03
  lines w12: 558.96,1354.82 558.96,1362.89 559.06,1362.99
  lines w22: 558.96,1354.82 633.27,1280.51 641.34,1280.51 879.33,1280.51 899.02,1300.2 899.02,1342.13 857.87,1383.27 753.74,1383.27 708.66,1428.35 708.66,1700.79 708.66,1808.14 858.59,1958.07 1465.94,1958.07 1751.97,2244.09 2547.24,2244.09 2736.22,2433.07 2736.22,2570.87 2700.79,2606.3 2633.86,2606.3 2574.8,2547.24 2574.8,2452.76 2452.76,2330.71 2137.8,2330.71 2082.57,2385.94 2082.57,2504.05 1968.31,2618.31 1877.36,2618.31 1704.13,2445.08 1704.13,2357.28 1425.59,2078.74 1244.09,2078.74 1019.69,2078.74 704.72,2078.74 574.8,2078.74 464.57,1968.5 464.57,1767.72 559.06,1673.23 559.06,1484.25 559.06,1362.99
  lines w30: 100.2,1296.85 100.2,1371.46 157.48,1428.74 300.98,1428.74 441.14,1288.58 559.65,1288.58 689.57,1158.66 887.2,1158.66 946.06,1217.52 1114.37,1217.52 1210.04,1217.52 1273.43,1154.13 1273.43,1082.48 1219.69,1028.74 1048.23,1028.74 980.71,961.22 980.71,676.57 1087.4,569.88 1518.31,569.88 1999.8,569.88 2050.98,518.7 2229.72,518.7 2253.74,494.68 2253.74,307.28 2219.88,307.28 2048.62,478.54 1790.55,478.54 1767.72,501.38 1623.62,501.38 1563.19,440.94 1538.78,416.54 1195.87,416.54 1152.76,459.65 976.38,459.65 798.82,637.2 798.82,969.09 636.42,1131.5 478.74,1131.5 397.05,1213.19 183.86,1213.19 100.2,1296.85
  lines w50: 2812.2,7.09 2812.2,1379.33

## Silkscreen, mask and mechanical layers (free items; w line width, h text height)
Top Overlay:
  drawing of 4667 lines, arcs and shapes, not listed
  text "Designed By M.Hamza LIMANLAR" at 880.12,3720.93 h31.5
  text "WIFI_HOME_SECURITY_SYS-V01" at 23.03,3715.68 h31.5
  text "AC" at 348.43,3234.06 h31.5 r270
  text "PROG." at 2638.19,2305.31 h31.5
  text "12VDC" at 650.91,2149.09 h31.5 r270
  text "5V DC" at 1182.68,586.61 h31.5
  text "SENSOR" at 2768.31,531.1 h31.5 r90
Bottom Overlay:
  circle w7.87: c2930,1060 r80
  text "TP" at 2975,1155 h60
  text "MAIN" at 2996.65,439.37 h31.5
Top Solder:
  lines w1.25: 2355.51,2053.98 2361.75,2053.98 ; 2356.76,2055.23 2361.75,2055.23 ; 2358.01,2056.47 2361.75,2056.47
Bottom Solder:
  region: 2991.39,1056.39 2926.46,1121.32 2865.07,1059.93 2930,995
Route Tool Path:
  lines w11.81: 2810,432.5 2810,437.5 ; 2810,477.5 2810,482.5 ; 2810,767.5 2810,772.5 ; 2810,812.5 2810,817.5 ; 2810,1097.5 2810,1102.5 ; 2810,1142.5 2810,1147.5 ; 2810,455 2810,460 2810,455 ; 2810,790 2810,795 2810,790 ; 2810,1120 2810,1125 2810,1120
  lines w39.37: -20,-23 -20,3808.54 ; -20,959 112,959 112,218 -17,218 ; -19,-20 2810,-20 ; -19,3812 2804.54,3812 ; 0,218 0,959 34.5,959 34.5,218 62,218 62,959 43.31,959 ; 84,218.5 84,959.5 ; 2809.83,1371.92 2809.83,3811 ; 2810,390 2810,105 2810,-20 ; 2810,530 2810,655 2810,730 ; 2810,860 2810,985 2810,1060 ; 2810,1185 2810,1310 2810,1390 3680,1390 3680,-20 2810,-20
Drill Drawing:
  drawing of 189 lines, arcs and shapes, not listed
  text "Symbol" at 2783.37,8829 h72
  text "Count" at 3289.25,8829 h72
  text "Hole Size" at 3889.09,8829 h72
  text "Plated" at 4988.77,8829 h72
  text "Hole Type" at 5494.65,8829 h72
  text "Drill Layer Pair" at 6228.45,8829 h72
  text "Via/Pad" at 7728,8829 h72
  text "Pad Shape" at 8317.85,8829 h72
  text "Template" at 9063.65,8829 h72
  text "Description" at 10973.06,8829 h72
  text "Hole Tolerance (+)" at 11826.83,8829 h72
  text "Hole Tolerance (-)" at 13160.44,8829 h72
  text "1" at 3289.25,8679 h60
  text "42.13mil (1.070mm)" at 3889.09,8679 h60
  text "PTH" at 4988.77,8679 h60
  text "Round" at 5494.65,8679 h60
  text "Top Layer - Bottom Layer" at 6228.45,8679 h60
  text "Pad" at 7728,8679 h60
  text "Rounded" at 8317.85,8679 h60
  text "c100h107m105" at 9063.65,8679 h60
  text "1" at 3289.25,8529 h60
  text "55.12mil (1.400mm)" at 3889.09,8529 h60
  text "PTH" at 4988.77,8529 h60
  text "Round" at 5494.65,8529 h60
  text "Top Layer - Bottom Layer" at 6228.45,8529 h60
  text "Pad" at 7728,8529 h60
  text "Rounded" at 8317.85,8529 h60
  text "c100h140m105" at 9063.65,8529 h60
  text "2" at 3289.25,8379 h60
  text "11.81mil (0.300mm)" at 3889.09,8379 h60
  text "PTH" at 4988.77,8379 h60
  text "Round" at 5494.65,8379 h60
  text "Top Layer - Bottom Layer" at 6228.45,8379 h60
  text "Via" at 7728,8379 h60
  text "Rounded" at 8317.85,8379 h60
  text "(Mixed)" at 9063.65,8379 h60
  text "B" at 2754.28,8369.01 h66.67
  text "2" at 3289.25,8229 h60
  text "31.50mil (0.800mm)" at 3889.09,8229 h60
  text "PTH" at 4988.77,8229 h60
  text "Round" at 5494.65,8229 h60
  text "Top Layer - Bottom Layer" at 6228.45,8229 h60
  text "Pad" at 7728,8229 h60
  text "Rounded" at 8317.85,8229 h60
  text "c200h80m205" at 9063.65,8229 h60
  text "2" at 3289.25,8079 h60
  text "35.43mil (0.900mm)" at 3889.09,8079 h60
  text "PTH" at 4988.77,8079 h60
  text "Round" at 5494.65,8079 h60
  text "Top Layer - Bottom Layer" at 6228.45,8079 h60
  text "Pad" at 7728,8079 h60
  text "Rounded" at 8317.85,8079 h60
  text "c0h90m5" at 9063.65,8079 h60
  text "2" at 3289.25,7929 h60
  text "39.37mil (1.000mm)" at 3889.09,7929 h60
  text "PTH" at 4988.77,7929 h60
  text "Slot" at 5494.65,7929 h60
  text "Top Layer - Bottom Layer" at 6228.45,7929 h60
  text "Pad" at 7728,7929 h60
  text "Rounded" at 8317.85,7929 h60
  text "r400_200h100_300r100" at 9063.65,7929 h60
  text "2" at 3289.25,7779 h60
  text "43.31mil (1.100mm)" at 3889.09,7779 h60
  text "PTH" at 4988.77,7779 h60
  text "Round" at 5494.65,7779 h60
  text "Top Layer - Bottom Layer" at 6228.45,7779 h60
  text "Pad" at 7728,7779 h60
  text "Rounded" at 8317.85,7779 h60
  text "c200h110m205" at 9063.65,7779 h60
  text "2" at 3289.25,7629 h60
  text "47.24mil (1.200mm)" at 3889.09,7629 h60
  text "PTH" at 4988.77,7629 h60
  text "Slot" at 5494.65,7629 h60
  text "Top Layer - Bottom Layer" at 6228.45,7629 h60
  text "Pad" at 7728,7629 h60
  text "Rounded" at 8317.85,7629 h60
  text "r360_180h120_150r100" at 9063.65,7629 h60
  text "2" at 3289.25,7479 h60
  text "47.24mil (1.200mm)" at 3889.09,7479 h60
  text "PTH" at 4988.77,7479 h60
  text "Slot" at 5494.65,7479 h60
  text "Top Layer - Bottom Layer" at 6228.45,7479 h60
  text "Pad" at 7728,7479 h60
  text "Rounded" at 8317.85,7479 h60
  text "r400_200h120_300r100_1772014400" at 9063.65,7479 h60
  text "2" at 3289.25,7329 h60
  text "82.68mil (2.100mm)" at 3889.09,7329 h60
  text "NPTH" at 4988.77,7329 h60
  text "Round" at 5494.65,7329 h60
  text "Top Layer - Bottom Layer" at 6228.45,7329 h60
  text "Pad" at 7728,7329 h60
  text "Rounded" at 8317.85,7329 h60
  text "c210hn210" at 9063.65,7329 h60
  text "6" at 3289.25,7179 h60
  text "19.69mil (0.500mm)" at 3889.09,7179 h60
  text "PTH" at 4988.77,7179 h60
  text "Round" at 5494.65,7179 h60
  text "Top Layer - Bottom Layer" at 6228.45,7179 h60
  text "(Mixed)" at 7728,7179 h60
  text "Rounded" at 8317.85,7179 h60
  text "(Mixed)" at 9063.65,7179 h60
  text "6" at 3289.25,7029 h60
  text "68.90mil (1.750mm)" at 3889.09,7029 h60
  text "PTH" at 4988.77,7029 h60
  text "Round" at 5494.65,7029 h60
  text "Top Layer - Bottom Layer" at 6228.45,7029 h60
  text "Pad" at 7728,7029 h60
  text "Rounded" at 8317.85,7029 h60
  text "c300h175m305" at 9063.65,7029 h60
  text "6" at 3289.25,6879 h60
  text "78.74mil (2.000mm)" at 3889.09,6879 h60
  text "NPTH" at 4988.77,6879 h60
  text "Round" at 5494.65,6879 h60
  text "Top Layer - Bottom Layer" at 6228.45,6879 h60
  text "Pad" at 7728,6879 h60
  text "Rounded" at 8317.85,6879 h60
  text "c152hn200" at 9063.65,6879 h60
  text "D" at 2754.28,6869.01 h66.67
  text "8" at 3289.25,6729 h60
  text "39.37mil (1.000mm)" at 3889.09,6729 h60
  text "PTH" at 4988.77,6729 h60
  text "Round" at 5494.65,6729 h60
  text "Top Layer - Bottom Layer" at 6228.45,6729 h60
  text "Pad" at 7728,6729 h60
  text "Rounded" at 8317.85,6729 h60
  text "c200h100m205" at 9063.65,6729 h60
  text "10" at 3289.25,6579 h60
  text "51.18mil (1.300mm)" at 3889.09,6579 h60
  text "PTH" at 4988.77,6579 h60
  text "Round" at 5494.65,6579 h60
  text "Top Layer - Bottom Layer" at 6228.45,6579 h60
  text "Pad" at 7728,6579 h60
  text "Rounded" at 8317.85,6579 h60
  text "c250h130m255" at 9063.65,6579 h60
  text "12" at 3289.25,6429 h60
  text "7.87mil (0.200mm)" at 3889.09,6429 h60
  text "PTH" at 4988.77,6429 h60
  text "Round" at 5494.65,6429 h60
  text "Top Layer - Bottom Layer" at 6228.45,6429 h60
  text "Pad" at 7728,6429 h60
  text "Rounded" at 8317.85,6429 h60
  text "c30h20m35" at 9063.65,6429 h60
  text "12" at 3289.25,6279 h60
  text "34.25mil (0.870mm)" at 3889.09,6279 h60
  text "PTH" at 4988.77,6279 h60
  text "Round" at 5494.65,6279 h60
  text "Top Layer - Bottom Layer" at 6228.45,6279 h60
  text "Pad" at 7728,6279 h60
  text "Rounded" at 8317.85,6279 h60
  text "(Mixed)" at 9063.65,6279 h60
  text "126" at 3289.25,6129 h60
  text "13.78mil (0.350mm)" at 3889.09,6129 h60
  text "PTH" at 4988.77,6129 h60
  text "Round" at 5494.65,6129 h60
  text "Top Layer - Bottom Layer" at 6228.45,6129 h60
  text "Via" at 7728,6129 h60
  text "Rounded" at 8317.85,6129 h60
  text "(Mixed)" at 9063.65,6129 h60
  text "A" at 2754.28,6119.01 h66.67
  text "204 Total" at 3289.25,5979 h60
  text "Slot definitions :" at 2783.37,5834.03 h60
  text "Routed Path Length" at 3816.06,5834.03 h60
  text "= Calculated from tool start centre position to tool end centre position." at 4918.73,5834.03 h60
  text "Hole Length" at 3816.06,5734.05 h60
  text "= Routed Path Length + Tool Size = Slot length as defined in the PCB layout" at 4508.86,5734.05 h60

## Text inside footprints (layer, text, board x,y; h text height)
BR1: Top Overlay "~" at 1406.13,2084.8 h60 r90; Top Overlay "~" at 1410.06,1884.02 h60 r90
S1: Top Overlay "G" at 3187.27,1204.19 h39.37; Top Overlay "S" at 3336.87,1121.51 h39.37; Top Overlay "D" at 3233.62,1005.47 h39.37
T1: Top Overlay "OUTPUT" at 1542.01,2137.65 h39.37; Top Overlay "INPUT" at 655.87,3338.12 h39.37 r180